# Altium PCB PCB.PcbDoc (part 4 of 5) (continued)
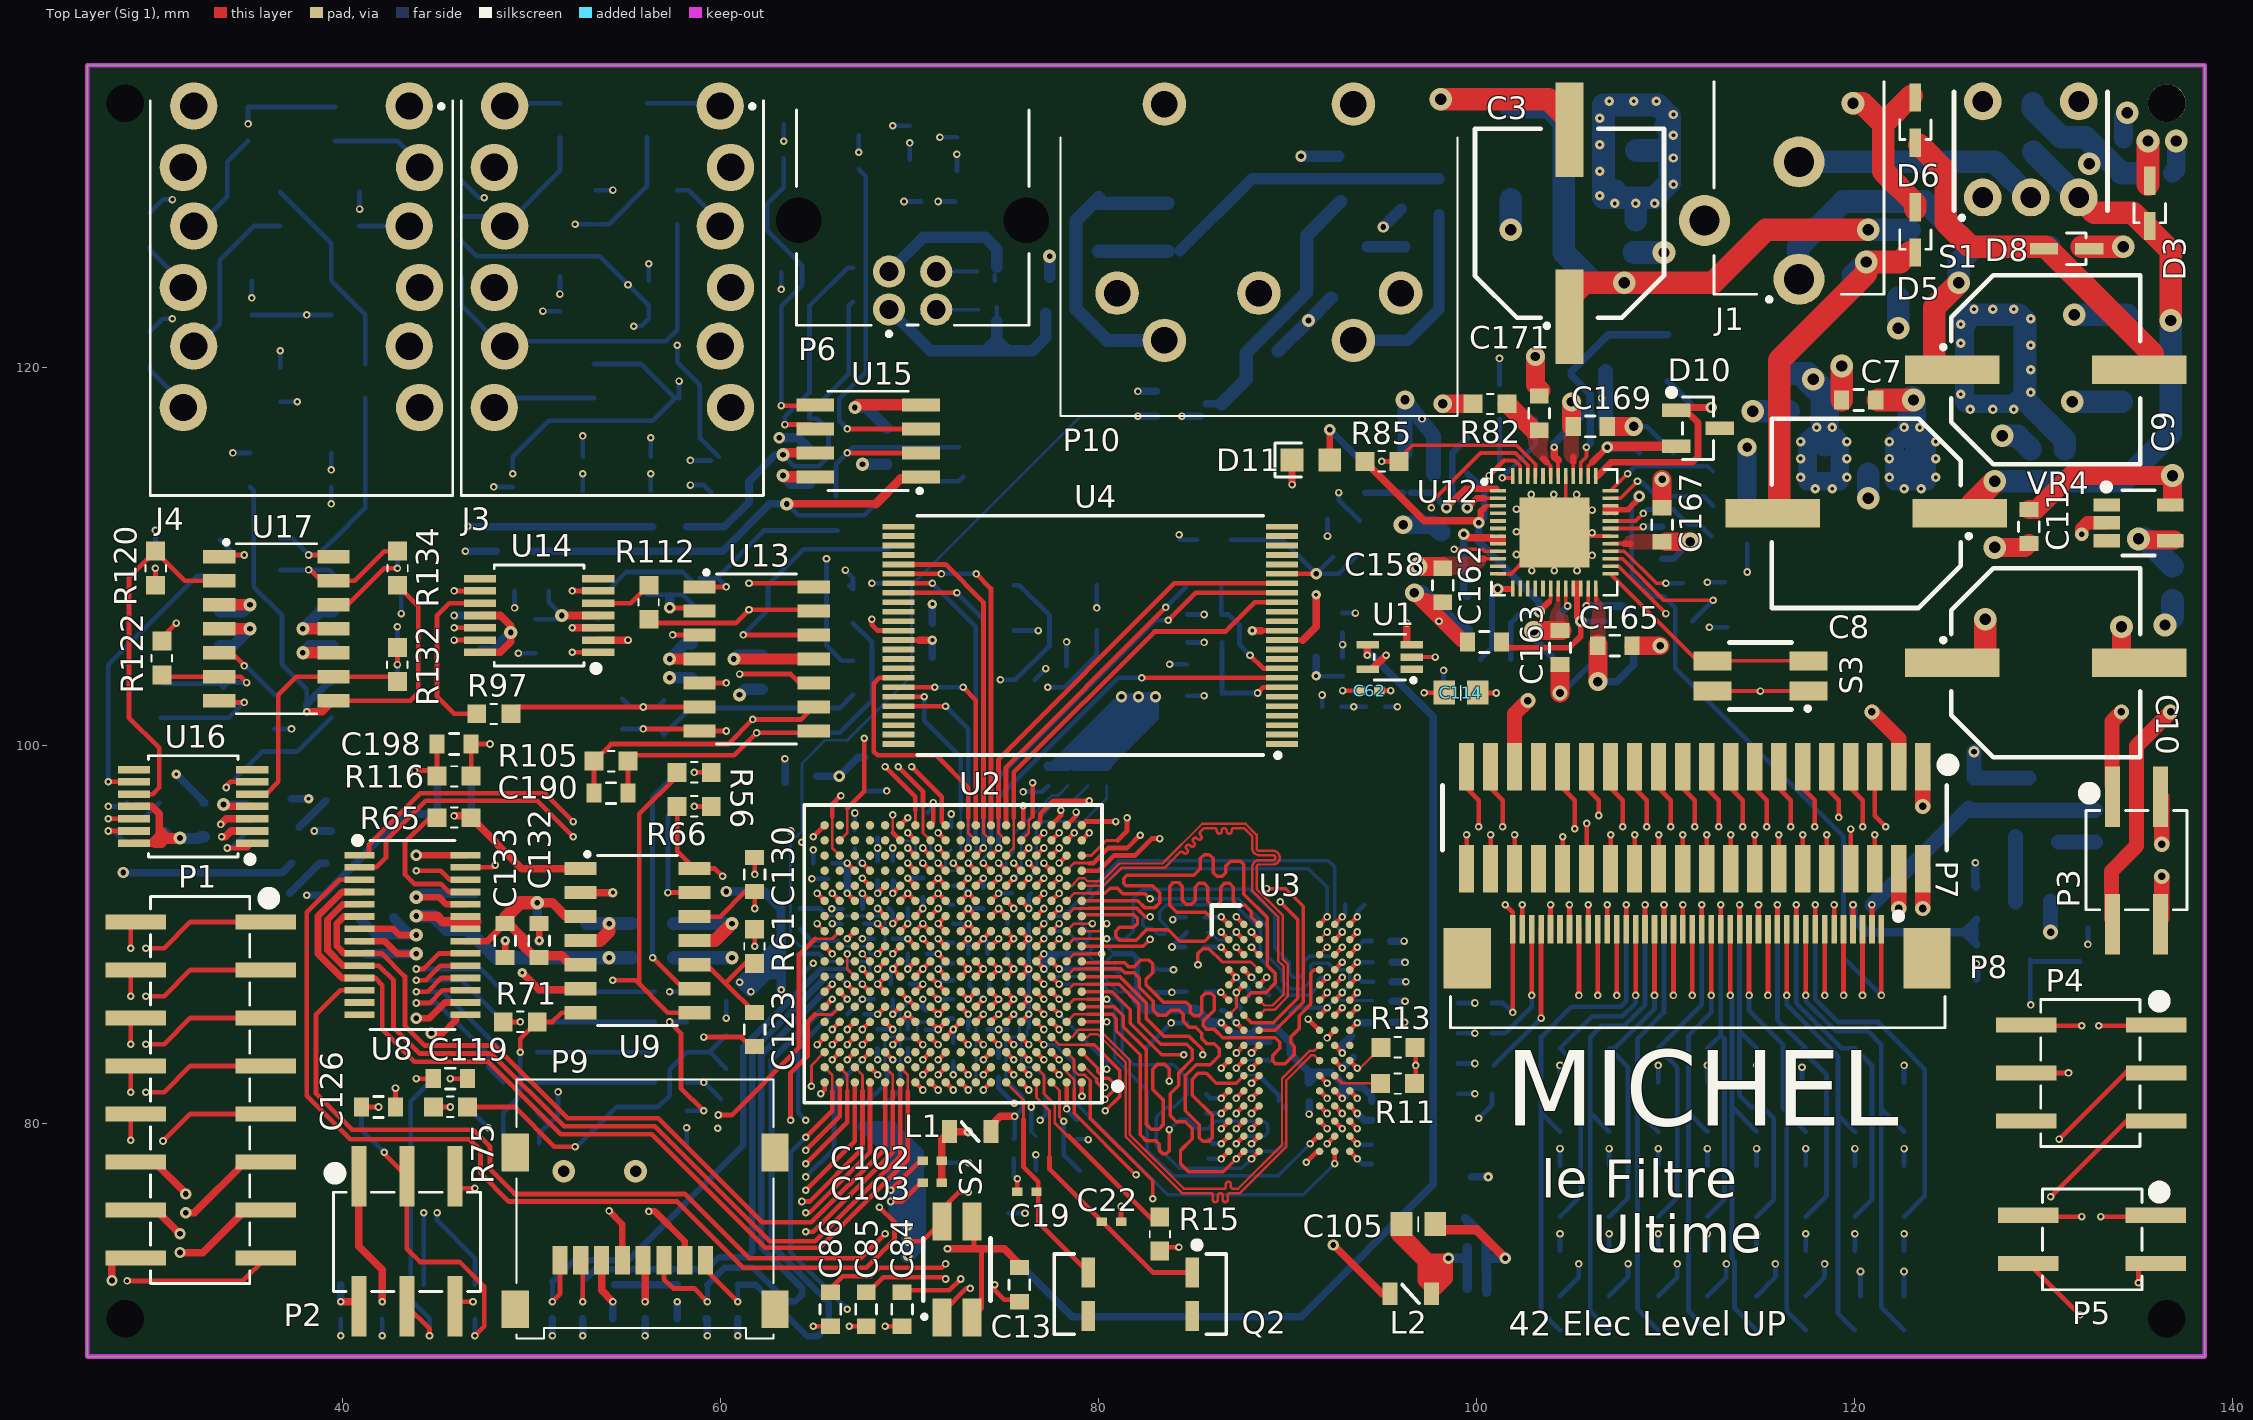
[diagram p0: Top Layer (Sig 1) view]
## Nets (pads, with @x,y where several pads share a name; then routed paths per layer and width w, separated by ;. In a path a pad name is that pad's centre, name@x,y a point inside that pad or via, vN(x,y) a via of type N, cw(c..) or ccw(c..) an arc to the next point about the centre after c; other vN are vias at no path point) (continued)
NetC86_2: C86.2 U2.C10 | length 19.1
  Top Layer (Sig 1) w0.25: C86.2@65.4,70.9 66.448,71.948 67.948,71.948 68.4,72.4 71.7,72.4 v2(71.9,72.6) ; v1(71.5,83.4) U2.C10@71.9,83.8
  Signal Layer 3 w0.15: 71.5,81.2 71.9,81.6 71.9,83 v1(71.5,83.4)
  Signal Layer 3 w0.25: 71.5,81.2 71.5,73 v2(71.9,72.6)
NetC99_1: C99.1 C100.1 C101.1 C102.1 C103.1 L1.1 U2.D10 U2.E7 U2.E9 U2.H15 U2.R10 | length 35.1
  Top Layer (Sig 1) w0.25: v1(67.5,88.2) U2.H15@67.9,87.8 ; v1(71.5,93.8) U2.R10@71.9,93.4 ; U2.D10@71.9,84.6 v1(72.3,85) U2.E9@72.7,85.4 ; U2.E7@74.3,85.4 v1(74.7,85.8)
  Top Layer (Sig 1) w0.4: C103.1@71.699,77 C102.1@71.699,78.043 71.699,79.199 L1.1@72.1,79.6 v10(73.1,79.6)
  Signal Layer 2 w0.15: v1(72.3,85) 72.7,84.6 72.7,81.4
  Signal Layer 2 w0.25: v1(64.9,88.5) 67.2,88.5 v1(67.5,88.2) ; 72.7,81.4 72.7,80 v10(73.1,79.6)
  Signal Layer 3 w0.15: v1(67.5,88.2) 67.9,87.8 72.3,87.8
  Signal Layer 3 w0.25: v1(71.5,93.8) 72.3,93 72.3,87.8 v1(72.3,85) 73.9,85 v1(74.7,85.8)
  Bottom Layer (Sig 4) w0.15: C101.1@70.925,95.217 71.1,95.042 71.1,94.2 v1(71.5,93.8)
  Bottom Layer (Sig 4) w0.25: C100.1@64.208,88 64.4,88 v1(64.9,88.5) ; C99.1@72.3,84.308 v1@72.3,85
NetC107_1: C107.1 U2.D6 | length 5.9
  Top Layer (Sig 1) w0.25: U2.D6@75.1,84.6 v1(75.5,84.2)
  Signal Layer 2 w0.15: v1(75.5,84.2) 75.9,83.8 75.9,81.425 v1(76.425,80.9)
  Bottom Layer (Sig 4) w0.15: C107.1@76.425,79.6 C107.1@76.675,79.35
  Bottom Layer (Sig 4) w0.25: C107.1@76.425,79.6 v1(76.425,80.9)
NetC117_2: C117.2 C118.1 L4.2 P9.4 | length 6.3
  Top Layer (Sig 1) w0.4: v2(56,70.6) P9.4@56,72.7
  Bottom Layer (Sig 4) w0.4: C118.1@54.4,71.5 L4.2@56,71.5 ; v2(56,70.6) L4.2@56,71.5 ; C117.2@57.7,71.5 L4.2@56,71.5
NetC119_1: C119.1 R56.2 R59.1 U9.8 | length 29.4
  Top Layer (Sig 1) w0.25: v2(45.7,82.4) C119.1@46.6,82.4 ; v3(54.287,87.6) 55.5,87.6 57.21,85.89 U9.8@58.623,85.89 ; 55.7,87.4 55.7,96.4 R56.2@57.7,98.4
  Signal Layer 3 w0.25: v2(45.7,82.4) 49.087,82.4 v3(54.287,87.6)
  Bottom Layer (Sig 4) w0.25: v2(45.7,82.4) R59.1@46.6,82.4
NetC119_2: C119.2 R58.2 U9.9 | length 35.3
  Top Layer (Sig 1) w0.25: v2(43.9,82.4) C119.2@44.8,82.4 ; v2(56.4,88.8) 58.04,87.16 U9.9@58.623,87.16
  Signal Layer 2 w0.25: v2(43.9,82.4) 43.9,81.3 45.9,79.3 51.7,79.3 56.4,84 v2(56.4,88.8)
  Bottom Layer (Sig 4) w0.25: v2(56.4,88.8) 56.4,97.3 R58.2@57.7,98.6
NetC120_1: C120.1 R62.2 R65.1 U9.1 | length 10.2
  Top Layer (Sig 1) w0.4: v2(45.9,96.3) R65.1@46.6,96.3 ; R65.1@46.8,96.2 49.49,93.51 U9.1@52.577,93.51
  Bottom Layer (Sig 4) w0.4: v2(45.9,96.3) R62.2@46.8,96.3 ; R62.2@46.8,96.4 C120.1@46.8,98.1
NetC120_2: C120.2 R62.1 R64.2 U9.2 | length 28.8
  Top Layer (Sig 1) w0.4: U9.2@52.577,92.24 v11(54.3,92.24)
  Signal Layer 3 w0.4: v2(38.1,92.1) 38.8,92.8 53.74,92.8 v11(54.3,92.24)
  Bottom Layer (Sig 4) w0.4: v2(38.1,92.1) R64.2@39,92.1 43.3,96.4 R62.1@45,96.4 C120.2@45,98.1
NetC121_1: C121.1 R60.2 R61.1 R63.1 | length 28.1
  Top Layer (Sig 1) w0.25: v3(61.8,89.4) R61.1@61.8,90.3
  Signal Layer 3 w0.25: v1@47.7,79.825 58.175,79.825 v2(58.2,79.8) 58.2,86.1 v2(57.3,87) 59.8,87 61.8,89 v3(61.8,89.4)
  Bottom Layer (Sig 4) w0.25: R63.1@46.6,80.9 v1(47.7,79.8) ; v2(57.3,87) R60.2@58.2,87 ; C121.1@58.2,78.9 v2(58.2,79.8)
NetC121_2: C121.2 R56.1 R57.2 R58.1 | length 27.6
  Top Layer (Sig 1) w0.25: v1(57.3,85.4) 57.9,84.8 57.9,81.9 v3(59.1,80.7) ; v2(58.6,98.6) R56.1@59.5,98.6
  Signal Layer 2 w0.25: v2(58.6,98.6) 59.6,97.6 59.6,81.2 v3(59.1,80.7)
  Bottom Layer (Sig 4) w0.25: v1(57.3,85.4) R57.2@58.2,85.4 ; C121.2@58.2,80.7 v3(59.1,80.7) ; v2(58.6,98.6) R58.1@59.5,98.6
NetC122_1: C122.1 R64.1 | length 2.6
  Bottom Layer (Sig 4) w0.4: R64.1@37.2,92.2 38.8,93.8 C122.1@39.1,93.8
NetC123_1: C123.1 R61.2 U9.10 | length 6.2
  Top Layer (Sig 1) w0.25: U9.10@58.623,88.43 59.27,88.43 60.35,87.35 C123.1@61.8,85.9 ; 60.25,87.45 R61.2@61.4,88.6 ; R61.2@61.5,88.5 R61.2@61.8,88.5
NetC125_1: C125.1 R67.2 R71.1 U9.7 | length 9.7
  Top Layer (Sig 1) w0.25: v2(49.4,83.8) 49.4,84.5 R71.1@50.3,85.4 51.1,85.4 51.59,85.89 U9.7@52.577,85.89
  Bottom Layer (Sig 4) w0.25: R67.2@48.6,79 48.5,79.1 C125.1@48.5,80.6 49.4,81.5 v2(49.4,83.8)
NetC125_2: C125.2 R67.1 R70.2 U9.6 | length 31.8
  Top Layer (Sig 1) w0.4: v4(49.5,88) 50.4,87.1 U9.6@53.2,87.1
  Signal Layer 2 w0.25: v4(49.5,88) 49.5,87.7 51.4,85.8 v3(51.4,81.7)
  Signal Layer 2 w0.4: v2(38.5,95.5) 39.1,94.9 45.4,94.9 49.5,90.8 v4(49.5,88)
  Bottom Layer (Sig 4) w0.25: C125.2@50.3,80.6 50.8,80.1 51,80.1 ; R67.1@50.4,79 50.4,79.5 51,80.1 ; v3(51.4,81.7) 51.4,80.5 51,80.1
  Bottom Layer (Sig 4) w0.4: v2(38.5,95.5) R70.2@39.4,95.5
NetC126_1: C126.1 R66.2 R72.1 U9.14 | length 29.7
  Top Layer (Sig 1) w0.25: C126.1@42.8,81 v3(42.8,81.9) ; R66.2@57.7,96.6 57.7,94.433 U9.14@58.623,93.51 59.69,93.51 v3(60.1,93.1)
  Signal Layer 3 w0.25: v3(42.8,81.9) 49.8,81.9 55.6,87.7 55.6,89.075 59.625,93.1 v3(60.1,93.1)
  Bottom Layer (Sig 4) w0.25: R72.1@42.8,80.9 v3@42.8,81.8
NetC126_2: C126.2 R69.2 U9.13 | length 33.5
  Top Layer (Sig 1) w0.25: C126.2@41,80.9 v2(41.9,80.9) ; v3(57.21,92.24) U9.13@58.623,92.24
  Signal Layer 2 w0.25: v2(41.9,80.9) 41.9,82.3 43.3,83.7 46.5,83.7 49.1,81.1 51.9,81.1 54.9,84.1 54.9,89.93 v3(57.21,92.24)
  Bottom Layer (Sig 4) w0.25: v3(57.21,92.24) 57.21,96.31 R69.2@57.7,96.8
NetC127_1: C127.1 R70.1 | length 2
  Bottom Layer (Sig 4) w0.4: R70.1@37.7,95.7 C127.1@39.1,97.1
NetC128_1: C128.1 R73.2 R74.1 R75.1 | length 19.1
  Top Layer (Sig 1) w0.25: R75.1@46.6,80.9 49.1,80.9 51.2,78.8 v3(52.3,78.8)
  Bottom Layer (Sig 4) w0.25: v3(52.3,78.8) 52.4,78.8 54.5,80.9 56.7,80.9 57.3,81.5 57.3,82.9 R73.2@58.2,83.8 59.4,83.8 59.412,83.812 ; 59.4,83.825 59.412,83.812 ; C128.1@60.3,82.925 59.412,83.812 ; R74.1@60.3,84.7 59.412,83.812
NetC128_2: C128.2 R66.1 R68.2 R69.1 | length 18.8
  Top Layer (Sig 1) w0.25: v2(58.6,96.8) R66.1@59.5,96.8
  Signal Layer 2 w0.25: v2(58.6,96.8) 58.6,82.7 v19(59.1,82.2)
  Bottom Layer (Sig 4) w0.25: R68.2@58.2,82.2 v19(59.1,82.2) ; v2(58.6,96.8) R69.1@59.5,96.8 ; v19@59.1,82.225 C128.2@60,81.325
NetC130_1: C130.1 R74.2 U9.12 | length 11.9
  Top Layer (Sig 1) w0.25: U9.12@58.623,90.97 59.97,90.97 61.3,92.3 C130.1@61.8,92.3 v3(61.8,91.4)
  Signal Layer 2 w0.25: v3(60.3,85.6) 60.3,87.5 61.3,88.5 61.3,90.9 v3(61.8,91.4)
  Bottom Layer (Sig 4) w0.25: v3(60.3,85.6) R74.2@60.3,86.5
NetC141_1: C141.1 R57.1 | length 6.2
  Bottom Layer (Sig 4) w0.25: C141.1@50.3,85.4 R57.1@56.4,85.4 R57.1@56.5,85.4
NetC142_1: C142.1 R60.1 | length 6.2
  Bottom Layer (Sig 4) w0.25: C142.1@50.3,87 R60.1@56.4,87 R60.1@56.5,87
NetC143_1: C143.1 R68.1 | length 6.2
  Bottom Layer (Sig 4) w0.25: C143.1@50.3,82.2 R68.1@56.4,82.2 R68.1@56.5,82.2
NetC144_1: C144.1 R73.1 | length 6.2
  Bottom Layer (Sig 4) w0.25: C144.1@50.3,83.8 R73.1@56.4,83.8 R73.1@56.5,83.8
NetC158_2: C158.2 R81.2 U12.10 | length 3.4
  Top Layer (Sig 1) w0.2: 100.5,109.9 U12.10@101.125,109.9
  Top Layer (Sig 1) w0.35: 100.1,109.9 100.4,109.9
  Top Layer (Sig 1) w1: v14@97,109.5 C158.2@98.2,109.5
  Bottom Layer (Sig 4) w1: v14(96.9,109.5) R81.2@98.2,109.5
NetC159_2: C159.2 U12.48 | length 4.3
  Top Layer (Sig 1) w0.2: v3@101.4,114.175 U12.48@101.9,114.175
  Bottom Layer (Sig 4) w0.25: v3(101.35,114.175) 103.1,115.925 C159.2@103.1,117.3
NetC160_2: C160.2 U12.47 | length 5.9
  Top Layer (Sig 1) w0.2: 101.45,115.1 102,115.1 102.3,114.8 U12.47@102.3,114.275
  Top Layer (Sig 1) w0.25: v1(100.65,114.3) 101.45,115.1
  Bottom Layer (Sig 4) w0.25: v1(100.65,114.3) 101.2,114.85 C160.2@101.2,117.3
NetC171_2: C171.2 R82.2 U12.43 | length 3.1
  Top Layer (Sig 1) w0.2: 103.7,115 103.9,114.8 U12.43@103.9,114.275
  Top Layer (Sig 1) w0.35: 103.5,115.2 103.7,115
  Top Layer (Sig 1) w1: R82.2@101.6,118.1 C171.2@103,116.7
NetC172_2: C172.2 D10.2 Q4.3 R17.1 U12.38 | length 37.8
  Top Layer (Sig 1) w0.2: U12.38@105.9,114.275 105.9,114.8 106.1,115
  Top Layer (Sig 1) w0.35: 106.1,115 v9(106.9,115.8) v9@106.948,115.848
  Top Layer (Sig 1) w0.5: v9@106.948,115.848 D10.2@110.544,115.848
  Signal Layer 2 w0.8: v9(106.9,115.8) 110.2,115.8 v12(126.3,99.7)
  Bottom Layer (Sig 4) w0.3: C172.2@108.3,115.8 C172.2@108.6,115.5
  Bottom Layer (Sig 4) w0.5: v9(106.9,115.8) C172.2@108.3,115.8
  Bottom Layer (Sig 4) w0.8: v12(126.3,99.7) 126.3,98.3 Q4.3@129.2,98.3
NetC176_1: C176.1 R90.1 U13.2 U14.9 | length 18.9
  Top Layer (Sig 1) w0.25: v2(45.9,108.2) U14.9@47.276,108.2 ; v6(57.3,107.3) U13.2@58.717,107.3
  Signal Layer 2 w0.25: v2(45.9,108.2) 46.6,108.9 55.695,108.9 57.295,107.3 v6(57.3,107.3)
  Bottom Layer (Sig 4) w0.25: R90.1@56.1,108 58,108 C176.1@58.9,107.1
  Bottom Layer (Sig 4) w0.5: v6(57.3,107.3) 57.3,107.9
NetC176_2: C176.2 R90.2 R91.1 U13.1 | length 15.3
  Top Layer (Sig 1) w0.25: U13.1@58.877,108.41 v3(60.3,108.41)
  Bottom Layer (Sig 4) w0.25: R90.2@54.1,108.3 55,109.2 58,109.2 58.4,108.8 ; C176.2@58.9,108.9 59.81,108.9 ; v3(60.3,108.41) 59.81,108.9 ; R91.1@66.2,111.4 62.31,111.4 59.81,108.9
NetC177_1: C177.1 R91.2 R92.1 U15.2 | length 12.5
  Top Layer (Sig 1) w0.25: v2(66.7,115.5) U15.2@70.594,115.5
  Bottom Layer (Sig 4) w0.25: R91.2@66.1,113.2 66.1,114.9 v2(66.7,115.5) 67,115.8 C177.1@71,115.8 R92.1@72.6,115.8
NetC177_2: C177.2 C180.2 R92.2 U15.1 | length 33
  Top Layer (Sig 1) w0.4: v8(63.5,112.8) 68.2,112.8
  Top Layer (Sig 1) w0.5: 68.2,112.8 69.53,114.13 U15.1@70.594,114.13
  Bottom Layer (Sig 4) w0.25: v8(63.5,112.8) 64.1,112.2 67.6,112.2 69.4,114 C177.2@71,114 ; C177.2@70.77,114.23 C177.2@71,114 ; R92.2@72.83,114.23 72.6,114 C177.2@71,114
  Bottom Layer (Sig 4) w0.4: C180.2@49.9,110.3 C180.2@49.925,110.3 60.1,110.3 62.6,112.8 v8(63.5,112.8)
NetC178_1: C178.1 C179.1 C181.1 R94.2 U13.3 | length 52.5
  Top Layer (Sig 1) w0.25: v3(57.455,105.87) U13.3@58.877,105.87
  Signal Layer 2 w0.25: v3(57.455,105.87) v3@57.455,105.945
  Signal Layer 3 w0.25: v2(49,114.4) v3@57.455,105.945 ; v2(57.8,119.3) 58,119.5 61.4,119.5 64.1,122.2 64.1,125.1 70.3,131.3 v2(72.5,131.3)
  Bottom Layer (Sig 4) w0.25: v2(49,114.4) R94.2@49,115.3 50.9,117.2 56.4,117.2 57.6,118.4 55.8,120.2 C178.1@53.3,120.2 ; C181.1@57.8,118.4 v2(57.8,119.3) ; C179.1@72.5,130.4 v2(72.5,131.3)
NetC178_2: C178.2 J3.12 R93.2 | length 12.2
  Signal Layer 2 w0.25: J3.12@48.25,117.9 50.6,120.25 v2(50.6,123)
  Bottom Layer (Sig 4) w0.25: J3.12@48.25,117.9 48.75,118.4 C178.2@53.3,118.4 ; v2(50.6,123) R93.2@51.5,123
NetC181_2: C181.2 C182.2 C183.1 R96.1 U13.5 | length 49.6
  Top Layer (Sig 1) w0.25: U13.5@58.877,103.33 v3(60.3,103.33)
  Signal Layer 2 w0.25: v2(57.7,121.2) 57.4,121.2 54.1,124.5 54.1,129.2 v2(54.3,129.4) 54.6,129.1 62.1,129.1 62.6,129.6 67.5,129.6 68.3,128.8 v2(69.7,128.8) ; v3(58.4,115.1) 59.3,114.2 59.3,104.33 v3(60.3,103.33)
  Bottom Layer (Sig 4) w0.25: C183.1@53.4,129.4 v2(54.3,129.4) ; C181.2@57.7,120.3 v2(57.7,121.2) ; C181.2@57.8,120.2 58.9,119.1 58.9,116.3 R96.1@59.9,115.3 ; v3(58.4,115.1) R96.1@59.5,115.1 ; v2(69.7,128.8) C182.2@70.6,128.8
NetC183_2: C183.2 J3.11 R95.1 | length 12.7
  Signal Layer 2 w0.25: J3.11@48.025,124.25 51.375,127.6 v3(52.3,127.6)
  Bottom Layer (Sig 4) w0.25: v3(52.3,127.6) C183.2@53.2,127.6 ; C183.2@53.4,127.6 54.1,127.6 56.1,129.6 R95.1@56.1,132.2
NetC184_1: C184.1 R97.2 R101.1 U13.6 | length 12.6
  Top Layer (Sig 1) w0.25: R97.2@48.9,101.7 49.26,102.06 v2(55.9,102.06) U13.6@58.877,102.06
  Bottom Layer (Sig 4) w0.25: C184.1@54.8,102.5 55.24,102.06 v2(55.9,102.06) 56.66,102.06 R101.1@57,102.4
NetC184_2: C184.2 R98.2 R101.2 U13.7 | length 17.5
  Top Layer (Sig 1) w0.25: v2(55.9,100.9) U13.7@58.787,100.9 ; U13.7@58.787,100.7 U13.7@58.877,100.79 v3(60.3,100.79)
  Bottom Layer (Sig 4) w0.25: C184.2@54.8,100.9 v2(55.9,100.9) R101.2@56.9,100.9 ; R101.2@56.9,100.7 R101.2@57,100.6 58.4,102 66.3,102 R98.2@67,102.7
NetC190_1: C190.1 R105.1 U13.9 U14.6 | length 28.5
  Top Layer (Sig 1) w0.25: v3(52.148,108.2) U14.6@53.524,108.2 ; C190.1@53.3,97.5 R105.1@53.3,99.2 54.2,100.1 60.4,100.1 v3(61.7,101.4) 64.263,101.4 U13.9@64.923,102.06
  Signal Layer 2 w0.25: v3(52.148,108.2) 54.3,108.2 57.2,105.3 57.8,105.3 58.8,104.3 58.8,103.9 61.3,101.4 v3(61.7,101.4)
NetC190_2: C190.2 R105.2 R106.1 U13.8 | length 23.5
  Top Layer (Sig 1) w0.25: C190.2@55.1,97.5 R105.2@55.1,99.2 55.4,99.5 60.71,99.5 v3(61.9,100.69) U13.8@64.923,100.69
  Bottom Layer (Sig 4) w0.25: v3(61.9,100.69) 66.308,100.69 68,102.382 68,105.5 R106.1@67,106.5
NetC191_1: C191.1 R106.2 R107.1 U15.6 | length 22.9
  Top Layer (Sig 1) w0.25: v3(63.4,117) 64.776,117 U15.6@65.006,116.77
  Signal Layer 3 w0.25: v3(63.4,117) 64.4,116 64.4,110.1 65.2,109.3 v2(66.6,109.3)
  Bottom Layer (Sig 4) w0.25: v3(63.4,117) 63.4,117.4 64.7,118.7 C191.1@64.7,119.1 64.7,123.275 R107.1@66.725,125.3 R107.1@67,125.3 ; v2(66.6,109.3) 67,108.9 R106.2@67,108.3 R106.2@66.8,108.5
NetC191_2: C191.2 C194.2 R107.2 U15.7 | length 21.7
  Top Layer (Sig 1) w0.5: v8(63.3,115.4) 63.4,115.5 U15.7@65.006,115.5
  Bottom Layer (Sig 4) w0.25: v8(63.3,115.4) 63.9,114.8 65.2,114.8 65.7,115.3 65.7,116.7 65.1,117.3 C191.2@64.7,117.3 64.7,117.6 66.775,119.675 66.775,123.275 R107.2@67,123.5
  Bottom Layer (Sig 4) w0.4: C194.2@58.2,111.6 60.2,111.6 61.5,112.9 61.5,114 62.9,115.4 v8(63.3,115.4)
NetC192_1: C192.1 C193.1 C195.1 R109.2 U13.10 | length 64.3
  Top Layer (Sig 1) w0.25: v3(61,103.8) 63.7,103.8 64.17,103.33 U13.10@64.923,103.33
  Signal Layer 2 w0.25: v2(55.1,124.4) 57.8,124.4 59.3,125.9 67.3,125.9 68.4,127 69.8,127 70.5,127.7 70.5,131.4 v2(70,131.9) ; v2(55.4,122.2) 55.4,117.2 v2(56.3,116.3)
  Signal Layer 3 w0.25: v2(56.3,116.3) 60.8,116.3 62.2,114.9 62.2,105 v3(61,103.8)
  Bottom Layer (Sig 4) w0.25: C192.1@46.3,126.7 47.1,125.9 53.6,125.9 v2(55.1,124.4) 56.2,123.3 C195.1@56.2,122.8 ; v2(55.4,122.2) 55.8,122.2 C195.1@56.2,122.6 ; R109.2@56.3,115.3 v2(56.3,116.3) ; C193.1@70,131 v2(70,131.9)
NetC192_2: C192.2 J3.6 R108.2 | length 19.9
  Bottom Layer (Sig 4) w0.25: C192.2@46.3,124.8 46.3,123.275 48.537,121.038 48.688,121.038 49.05,121.4 57.1,121.4 57.7,122 R108.2@57.7,127.6
NetC195_2: C195.2 C196.2 C197.1 R111.1 U13.12 | length 55.7
  Top Layer (Sig 1) w0.25: v3(61.2,105.87) U13.12@64.923,105.87
  Signal Layer 2 w0.25: v2(52.7,116.4) 53.4,115.7 59,115.7 60.9,113.8 60.9,106.17 v3(61.2,105.87)
  Signal Layer 3 w0.25: v2(47.5,129) 52.7,129 v2(56.2,125.5) 56.2,119.9 v2(52.7,116.4)
  Bottom Layer (Sig 4) w0.25: C197.1@46.3,129.9 47.2,129 v2(47.5,129) ; R111.1@52.7,115.3 v2(52.7,116.4) ; C195.2@56.2,124.6 v2(56.2,125.5) ; v3(61.2,105.87) 62.5,107.17 62.5,108.5 64.4,110.4 C196.2@68.9,110.4
NetC197_2: C197.2 J3.5 R110.1 | length 8.4
  Bottom Layer (Sig 4) w0.25: C197.2@46.3,128 48.075,128 J3.5@48.575,127.5 51.5,130.425 R110.1@51.5,132.2
NetC198_1: C198.1 R112.2 R116.1 U13.13 | length 34.7
  Top Layer (Sig 1) w0.25: v1(43.8,98.7) R116.1@44.8,98.7 ; R116.1@45,98.4 C198.1@45,100.1 ; R112.2@56.2,106.7 56.4,106.5 60.8,106.5 v3(61.5,107.2) 64.863,107.2 U13.13@64.923,107.14
  Signal Layer 3 w0.25: v1(43.8,98.7) 55.8,98.7 59.1,102 59.1,104.8 v3(61.5,107.2)
NetC198_2: C198.2 R113.2 R116.2 U13.14 | length 42.5
  Top Layer (Sig 1) w0.25: R116.2@46.8,98.4 C198.2@46.8,100.1 v2(47.8,100.1) ; v3@61.6,108.6 64.733,108.6 U13.14@64.923,108.41
  Signal Layer 2 w0.25: v3(61.5,108.6) 62.4,109.5 62.4,123.35 v2(63.2,124.15)
  Signal Layer 3 w0.25: v2(47.8,100.1) 56.4,100.1 58.5,102.2 58.5,105.6 v3(61.5,108.6)
  Bottom Layer (Sig 4) w0.25: v2(63.2,124.15) R113.2@63.2,125.05
NetC199_1: C199.1 R118.2 R119.1 | length 28
  Signal Layer 2 w0.25: v2(31,128.9) 31.2,129.1 40.2,129.1 v2(40.9,128.4)
  Signal Layer 3 w0.25: v2(39.4,114.6) 39.4,126.9 v2(40.9,128.4)
  Bottom Layer (Sig 4) w0.25: R118.2@29.8,128.2 30.5,128.9 v2(31,128.9) ; v2(39.4,114.6) C199.1@39.4,115.5 ; v2(40.9,128.4) R119.1@40.9,129.3
NetC199_2: C199.2 R117.2 R122.1 U17.1 | length 15.8
  Top Layer (Sig 1) w0.25: R122.1@30.45,105.55 30.45,105.75 v2(31.2,106.5) ; U17.1@33.567,110.1 v3(34.8,110.1)
  Signal Layer 2 w0.25: v2@31.212,106.513 v3(34.8,110.1) 37.5,112.8 v2(39.4,112.8)
  Bottom Layer (Sig 4) w0.25: R117.2@33.5,110.91 34.31,110.1 v3(34.8,110.1) ; v2(39.4,112.8) C199.2@39.4,113.7
NetC200_1: C200.1 C202.2 R121.2 U17.7 | length 24.7
  Top Layer (Sig 1) w0.25: U17.7@34.13,102.39 U17.7@33.477,102.39 33.567,102.3 v2(34.8,102.3)
  Signal Layer 3 w0.25: v2(34.8,102.3) 36.3,103.8 36.8,104.3 36.8,117.4 v2(37.6,118.2)
  Bottom Layer (Sig 4) w0.25: R121.2@30.4,101.49 C200.1@33.5,101.49 33.99,101.49 v2(34.8,102.3) ; C202.2@36.7,118.2 v2(37.6,118.2)
NetC200_2: C200.2 R121.1 R122.2 U17.6 | length 9.2
  Top Layer (Sig 1) w0.25: R122.2@30.45,103.66 U17.6@33.477,103.66 34.615,103.66 v2(34.925,103.35)
  Bottom Layer (Sig 4) w0.25: R121.1@30.475,103.29 C200.2@33.5,103.29 33.7,103.09 33.96,103.35 v2(34.925,103.35)
NetC201_2: C201.2 R2.2 R120.1 | length 46.7
  Top Layer (Sig 1) w0.25: R120.1@30.1,108.5 v2(30.1,109.4)
  Signal Layer 3 w0.25: v2(30.1,109.4) 32.6,106.9 32.6,89.1 45,76.7 v2(45,75.3)
  Bottom Layer (Sig 4) w0.25: C201.2@30.1,108.5 v2(30.1,109.4) ; v2(45,75.3) 45,74.9 47,72.9 R2.2@47,71.5
NetC202_1: C202.1 R123.2 R125.1 | length 11.5
  Signal Layer 2 w0.25: v2(31,122.6) 31.1,122.7 34.2,122.7 ; v2(35.2,123.7) 34.2,122.7 ; v2(36.7,120.9) 36.7,121.4 35.4,122.7 34.2,122.7
  Bottom Layer (Sig 4) w0.25: R123.2@29.8,121.9 30.5,122.6 v2(31,122.6) ; v2(35.2,123.7) R125.1@35.2,124.6 ; C202.1@36.7,120 v2(36.7,120.9)
NetC203_1: C203.1 R130.2 R131.1 | length 24.1
  Signal Layer 3 w0.25: v3(34.2,115.5) 34.2,132.1 v2(35,132.9)
  Bottom Layer (Sig 4) w0.25: v3(34.2,115.5) C203.1@35.1,115.5 ; v2(35,132.9) R130.2@35,133.8 R131.1@39.6,133.8
NetC203_2: C203.2 R129.2 R134.1 U17.8 | length 27.2
  Top Layer (Sig 1) w0.25: U17.8@39.523,102.39 43.59,102.39 44,102.8 44,107.4 R134.1@42.9,108.5
  Top Layer (Sig 1) w0.4: v1(38.1,101.8) 38.933,101.8 U17.8@39.433,102.3
  Bottom Layer (Sig 4) w0.25: C203.2@35.1,113.7 35.3,113.5 35.3,108.4 36.8,106.9 36.8,104.3 38.1,103 38.1,102.2 ; R129.2@39.2,103.3 R129.2@39.4,103.3
  Bottom Layer (Sig 4) w0.4: v1(38.1,101.8) 38.1,102.2 R129.2@39.2,103.3
NetC204_1: C204.1 C206.2 R133.2 U17.14 | length 13.7
  Top Layer (Sig 1) w0.25: v2(38.2,110.1) 39.433,110.1 U17.14@39.523,110.01 U17.14@38.87,110.01
  Bottom Layer (Sig 4) w0.25: R133.2@36.7,111 37.3,111 v2(38.2,110.1) 38.69,110.1 C204.1@39.5,110.91 ; C204.1@39.523,110.91 41.2,112.587 C206.2@41.2,118.4
NetC204_2: C204.2 R133.1 R134.2 U17.13 | length 8.5
  Top Layer (Sig 1) w0.25: v2(38.2,109.31) 38.3,109.31 38.87,108.74 U17.13@39.523,108.74 40.64,108.74 42.2,110.3 R134.2@42.9,110.3
  Bottom Layer (Sig 4) w0.25: R133.1@36.7,109.31 v2(38.2,109.31) 39.3,109.31 C204.2@39.5,109.11
NetC205_2: C205.2 R1.2 R132.1 | length 40.5
  Top Layer (Sig 1) w0.25: v2(42.9,104.3) R132.1@42.9,105.2
  Signal Layer 2 w0.25: v2(42.9,104.3) 42.9,100.8 36.5,94.4 36.5,83.1 v2(44.3,75.3)
  Bottom Layer (Sig 4) w0.25: C205.2@42.9,103.4 v2(42.9,104.3) ; R1.2@44.3,71.5 v2(44.3,75.3)
NetC206_1: C206.1 R135.2 R137.1 | length 11
  Bottom Layer (Sig 4) w0.25: R135.2@36.7,129.3 39.4,126.6 R137.1@39.4,124.6 41.2,122.8 C206.1@41.2,120.2
NetD9_1: D9.1 R78.2 U11.2 | length 18.9
  Bottom Layer (Sig 4) w0.6: U11.2@84.3,126.2 88.1,130 R78.2@98,130
  Bottom Layer (Sig 4) w0.7: D9.1@80,126.165 U11.2@83.665,126.165
NetD9_2: D9.2 P10.5 U11.3 | length 15.5
  Bottom Layer (Sig 4) w0.7: D9.2@79.965,128.705 U11.3@83.665,128.705 ; D9.2@80,129.001 78.8,127.801 78.8,123.1 80.45,121.45 P10.5@83.475,121.45
NetD10_1: D10.1 L8.2 U12.37 | length 12.9
  Top Layer (Sig 1) w0.35: U12.37@106.35,114.25 107.1,115 111.4,115 111.7,115.3 111.7,117.1 111,117.8 111.1,117.9 v12(112.4,117.9)
  Bottom Layer (Sig 4) w0.35: L8.2@110.1,119.3 111.5,117.9 v12(112.4,117.9)
NetD11_2: D11.2 R89.2 | length 3.8
  Top Layer (Sig 1) w0.35: D11.2@92.225,115.125 v6(92.225,116.725)
  Bottom Layer (Sig 4) w0.35: v6(92.225,116.725) R89.2@93.775,115.175
NetJ1_3: J1.3 S1.2 | length 13.3
  Top Layer (Sig 1) w1.4: S1.2@129.303,129.011 S1.2@129.303,129.297
  Bottom Layer (Sig 4) w1.2: J1.3@117.043,130.9 127.4,130.9 S1.2@129.296,129.004
NetJ2_1: J2.1 U2.A3 | length 5.3
  Top Layer (Sig 1) w0.15: U2.A3@77.5,82.2 77.925,81.775 77.925,80.375 v1(78.154,80.146)
  Bottom Layer (Sig 4) w0.25: v1(78.154,80.146) 78.154,78.371 J2.1@79,77.525
NetJ4_5: J4.5 R130.1 | length 5.6
  Bottom Layer (Sig 4) w0.25: J4.5@32.35,127.5 33.9,129.05 33.9,130.9 R130.1@35,132
NetJ4_6: J4.6 R135.1 | length 9
  Bottom Layer (Sig 4) w0.25: J4.6@32.35,121.15 33.5,122.3 33.5,125.7 35.3,127.5 R135.1@36.7,127.5
NetJ4_11: J4.11 R118.1 | length 3
  Bottom Layer (Sig 4) w0.25: R118.1@29.8,126.4 29.8,126.25 J4.11@31.8,124.25
NetJ4_12: J4.12 R123.1 | length 3
  Bottom Layer (Sig 4) w0.25: R123.1@29.8,120.1 29.8,119.9 J4.12@31.8,117.9
NetL5_1: L5.1 U12.20 | length 2.4
  Top Layer (Sig 1) w0.2: U12.20@104.7,108.325 104.7,107.5 v2(104.8,107.4)
  Bottom Layer (Sig 4) w0.4: L5.1@104.4,106.1 104.4,107 v2(104.8,107.4)
NetL6_1: L6.1 U12.23 | length 3.1
  Top Layer (Sig 1) w0.2: v1(105.8,107.4) 105.9,107.5 U12.23@105.9,108.325
  Bottom Layer (Sig 4) w0.4: v1(105.8,107.4) 107.7,107.4 L6.1@107.9,107.2
NetL7_1: L7.1 U12.31 | length 2.8
  Top Layer (Sig 1) w0.2: U12.31@107.075,111.5 108.7,111.5 v2(108.8,111.6)
  Bottom Layer (Sig 4) w0.35: v2(108.8,111.6) L7.1@109.8,111.6
NetP4_1: P4.1 U2.A12 | length 85.6
  Top Layer (Sig 1) w0.25: U2.A12@70.3,82.2 v1(70.7,81.8) ; v3(132.9,85.2) P4.1@135.6,85.2
  Signal Layer 3 w0.25: v1(70.7,81.8) 70.7,71.6 71.9,70.4 123.7,70.4 132.9,79.6 v3(132.9,85.2)
NetP4_2: P4.2 U2.C11 | length 85.7
  Top Layer (Sig 1) w0.25: v1(70.7,83.4) U2.C11@71.1,83.8 ; P4.2@129.3,85.2 v3(132,85.2)
  Signal Layer 3 w0.15: v1(70.7,83.4) 71.1,83 71.1,81.3
  Signal Layer 3 w0.25: 71.1,81.3 71.1,71.8 72.1,70.8 123.4,70.8 132,79.4 v3(132,85.2)
NetP4_3: P4.3 U2.A11 | length 81.8
  Top Layer (Sig 1) w0.25: U2.A11@71.1,82.2 v1(71.5,81.8)
  Top Layer (Sig 1) w0.254: v1(130.8,79.2) P4.3@134.4,82.8
  Signal Layer 2 w0.25: v1(71.5,81.8) 71.5,81.075 71.325,80.9 71.325,71.575 72.5,70.4 125.8,70.4 130.8,75.4 v1(130.8,79.2)
NetP4_4: P4.4 U2.B11 | length 85.3
  Top Layer (Sig 1) w0.25: v1(70.7,82.6) U2.B11@71.1,83 ; P4.4@128.6,82.7 P4.4@129.071,82.7 v2(131.3,82.7)
  Signal Layer 2 w0.15: v1(70.7,82.6) 71.1,82.2 71.1,81.4
  Signal Layer 2 w0.25: 71.1,81.4 70.9,81.2 70.9,71.4 72.3,70 126.1,70 131.3,75.2 v2(131.3,82.7)
NetP4_5: P4.5 U2.B10 | length 76.3
  Top Layer (Sig 1) w0.25: v1(71.5,82.6) U2.B10@71.9,83
  Top Layer (Sig 1) w0.254: v1(130.35,76.15) P4.5@134.4,80.2
  Signal Layer 2 w0.15: v1(71.5,82.6) 71.9,82.2 71.9,81.4
  Signal Layer 2 w0.25: 71.9,81.4 71.9,79 72.5,78.4 72.5,74.7 76.4,70.8 125,70.8 v1(130.35,76.15)
NetP5_1: P5.1 U2.E16 | length 87
  Top Layer (Sig 1) w0.25: v1(66.7,85) U2.E16@67.1,85.4 ; v2(133,75.1) P5.1@135.7,75.1
  Signal Layer 3 w0.15: v1(66.7,85) 67.1,84.6 69.3,84.6 69.5,84.4 69.5,83.075 69.7,82.875
  Signal Layer 3 w0.25: 69.7,82.875 69.7,75.834 68.2,74.334 68.2,72.3 70.5,70 127.9,70 v2(133,75.1)
NetP5_2: P5.2 U2.E15 | length 83.9
  Top Layer (Sig 1) w0.25: v1(67.5,85) U2.E15@67.9,85.4 ; P5.2@129.3,75.1 v2(132,75.1)
  Signal Layer 2 w0.15: v1(67.5,85) 67.9,84.6 69.5,84.6 70.3,83.8 70.3,82.975 70.2,82.875
  Signal Layer 2 w0.25: 70.2,82.875 70.2,81.5 70.5,81.2 70.5,71.1 72.05,69.55 126.45,69.55 v2(132,75.1)
NetP8_1: P8.1 U12.33 U12.34 | length 37.7
  Top Layer (Sig 1) w0.25: v2(121.4,86.8) P8.1@121.4,90.3
  Top Layer (Sig 1) w0.3: 107.3,112.5 108,112.5 108.6,113.1 v6(108.6,113.2)
  Top Layer (Sig 1) w0.5: 106.9,112.45 106.9,112.55 ; 107.3,112.45 107.3,112.5 107.3,112.55
  Bottom Layer (Sig 4) w0.25: v6(108.6,113.2) 108.2,112.8 108.2,109 109.3,107.9 109.9,107.9 110.5,107.3 110.5,104.1 119.4,95.2 119.4,88.8 v2(121.4,86.8)
NetP8_2: P8.2 R17.2 R18.2 | length 15.2
  Top Layer (Sig 1) w0.25: P8.2@120.9,90.3 v2(120.9,91.6)
  Bottom Layer (Sig 4) w0.8: v2(120.9,91.6) R17.2@126,96.7 ; R17.2@126,96.6 R17.2@126.25,96.6 R18.2@132.725,96.6
NetP10_4: P10.4 R78.1 | length 10.2
  Bottom Layer (Sig 4) w0.6: P10.4@93.475,121.45 96.35,121.45 98,123.1 R78.1@98,128.1
NetQ3_1: Q3.1 Q4.2 | length 3.4
  Bottom Layer (Sig 4) w0.8: Q3.1@128.5,91.75 Q4.2@128.5,95.2
NetQ4_1: Q4.1 R18.1 | length 1.9
  Bottom Layer (Sig 4) w0.8: Q4.1@130.775,94.925 R18.1@132.725,94.925
NetR6_1: R6.1 U2.V12 | length 23.1
  Top Layer (Sig 1) w0.15: U2.V12@70.3,95.8 70.3,96.6
  Top Layer (Sig 1) w0.25: v2(68.7,98.9) 70.3,97.3 70.3,96.6
  Signal Layer 3 w0.25: v2(68.7,98.9) 70.2,100.4 71.575,100.4 72.95,101.775 84.7,101.775 v3(85.575,102.65)
  Bottom Layer (Sig 4) w0.25: R6.1@84.675,102.65 v3(85.575,102.65)
NetR9_1: R9.1 R138.2 U4.9 | length 6.4
  Top Layer (Sig 1) w0.25: v3(88,104.8) 88.7,104.1 U4.9@89.7,104.1
  Bottom Layer (Sig 4) w0.25: R9.1@86.475,106.95 86.875,106.95 87.45,106.375 87.45,105.35 v3(88,104.8) ; R9.1@86.475,106.975 R138.2@86.475,108.4
NetR11_1: R11.1 U3.L8 | length 2.6
  Top Layer (Sig 1) w0.134: 92.88,82.155 92.885,82.15 R11.1@94.91,82.15
  Top Layer (Sig 1) w0.15: U3.L8@92.48,82.555 92.88,82.155
NetR14_2: R14.2 U2.J3 | length 3.8
  Top Layer (Sig 1) w0.25: U2.J3@77.5,88.6 77.85,88.25 v1@77.9,88.25
  Bottom Layer (Sig 4) w0.25: v1(77.9,88.2) R14.2@80.84,88.2 ; R14.2@80.84,88.25 R14.2@81.05,88.04
NetR15_2: R15.2 U2.B4 | length 10.7
  Top Layer (Sig 1) w0.15: U2.B4@76.7,83 77.1,82.6 77.1,81.6 77.675,81.025 77.675,80.05 78.363,79.363
  Top Layer (Sig 1) w0.25: 78.375,79.375 R15.2@82.9,74.85
NetR80_2: R80.2 U11.7 | length 2
  Bottom Layer (Sig 4) w0.6: U11.7@94.2,126.4 R80.2@96.2,126.4
NetR87_2: R87.2 U12.35 | length 6.3
  Top Layer (Sig 1) w0.2: U12.35@107.075,113.1 107.6,113.1 v3(108.5,114)
  Bottom Layer (Sig 4) w0.25: v3(108.5,114) 108.7,114 109.5,113.2 112,113.2 R87.2@112.5,112.7
NetR88_2: R88.2 U12.36 | length 6.1
  Top Layer (Sig 1) w0.2: U12.36@107.075,113.5 v3(107.975,114.4)
  Bottom Layer (Sig 4) w0.2: R88.2@112.2,114.8 R88.2@112.5,114.5
  Bottom Layer (Sig 4) w0.25: v3(107.975,114.4) 108.375,114.8 R88.2@112.2,114.8